# Altium PCB radxa_nx4_io_board_v1.11.PcbDoc (part 8 of 13)
Units mil, origin at the board's own origin, x right, y up, seen from the top; angles counter-clockwise.
Board outline 3937.01 x 3110.23 mil, 6 copper layers (TOP, GND02, ART03, ART04, GND05, BOTTOM), stack 47.2 mil thick; 639 components, 522 nets, 2442 pads, 1896 vias.
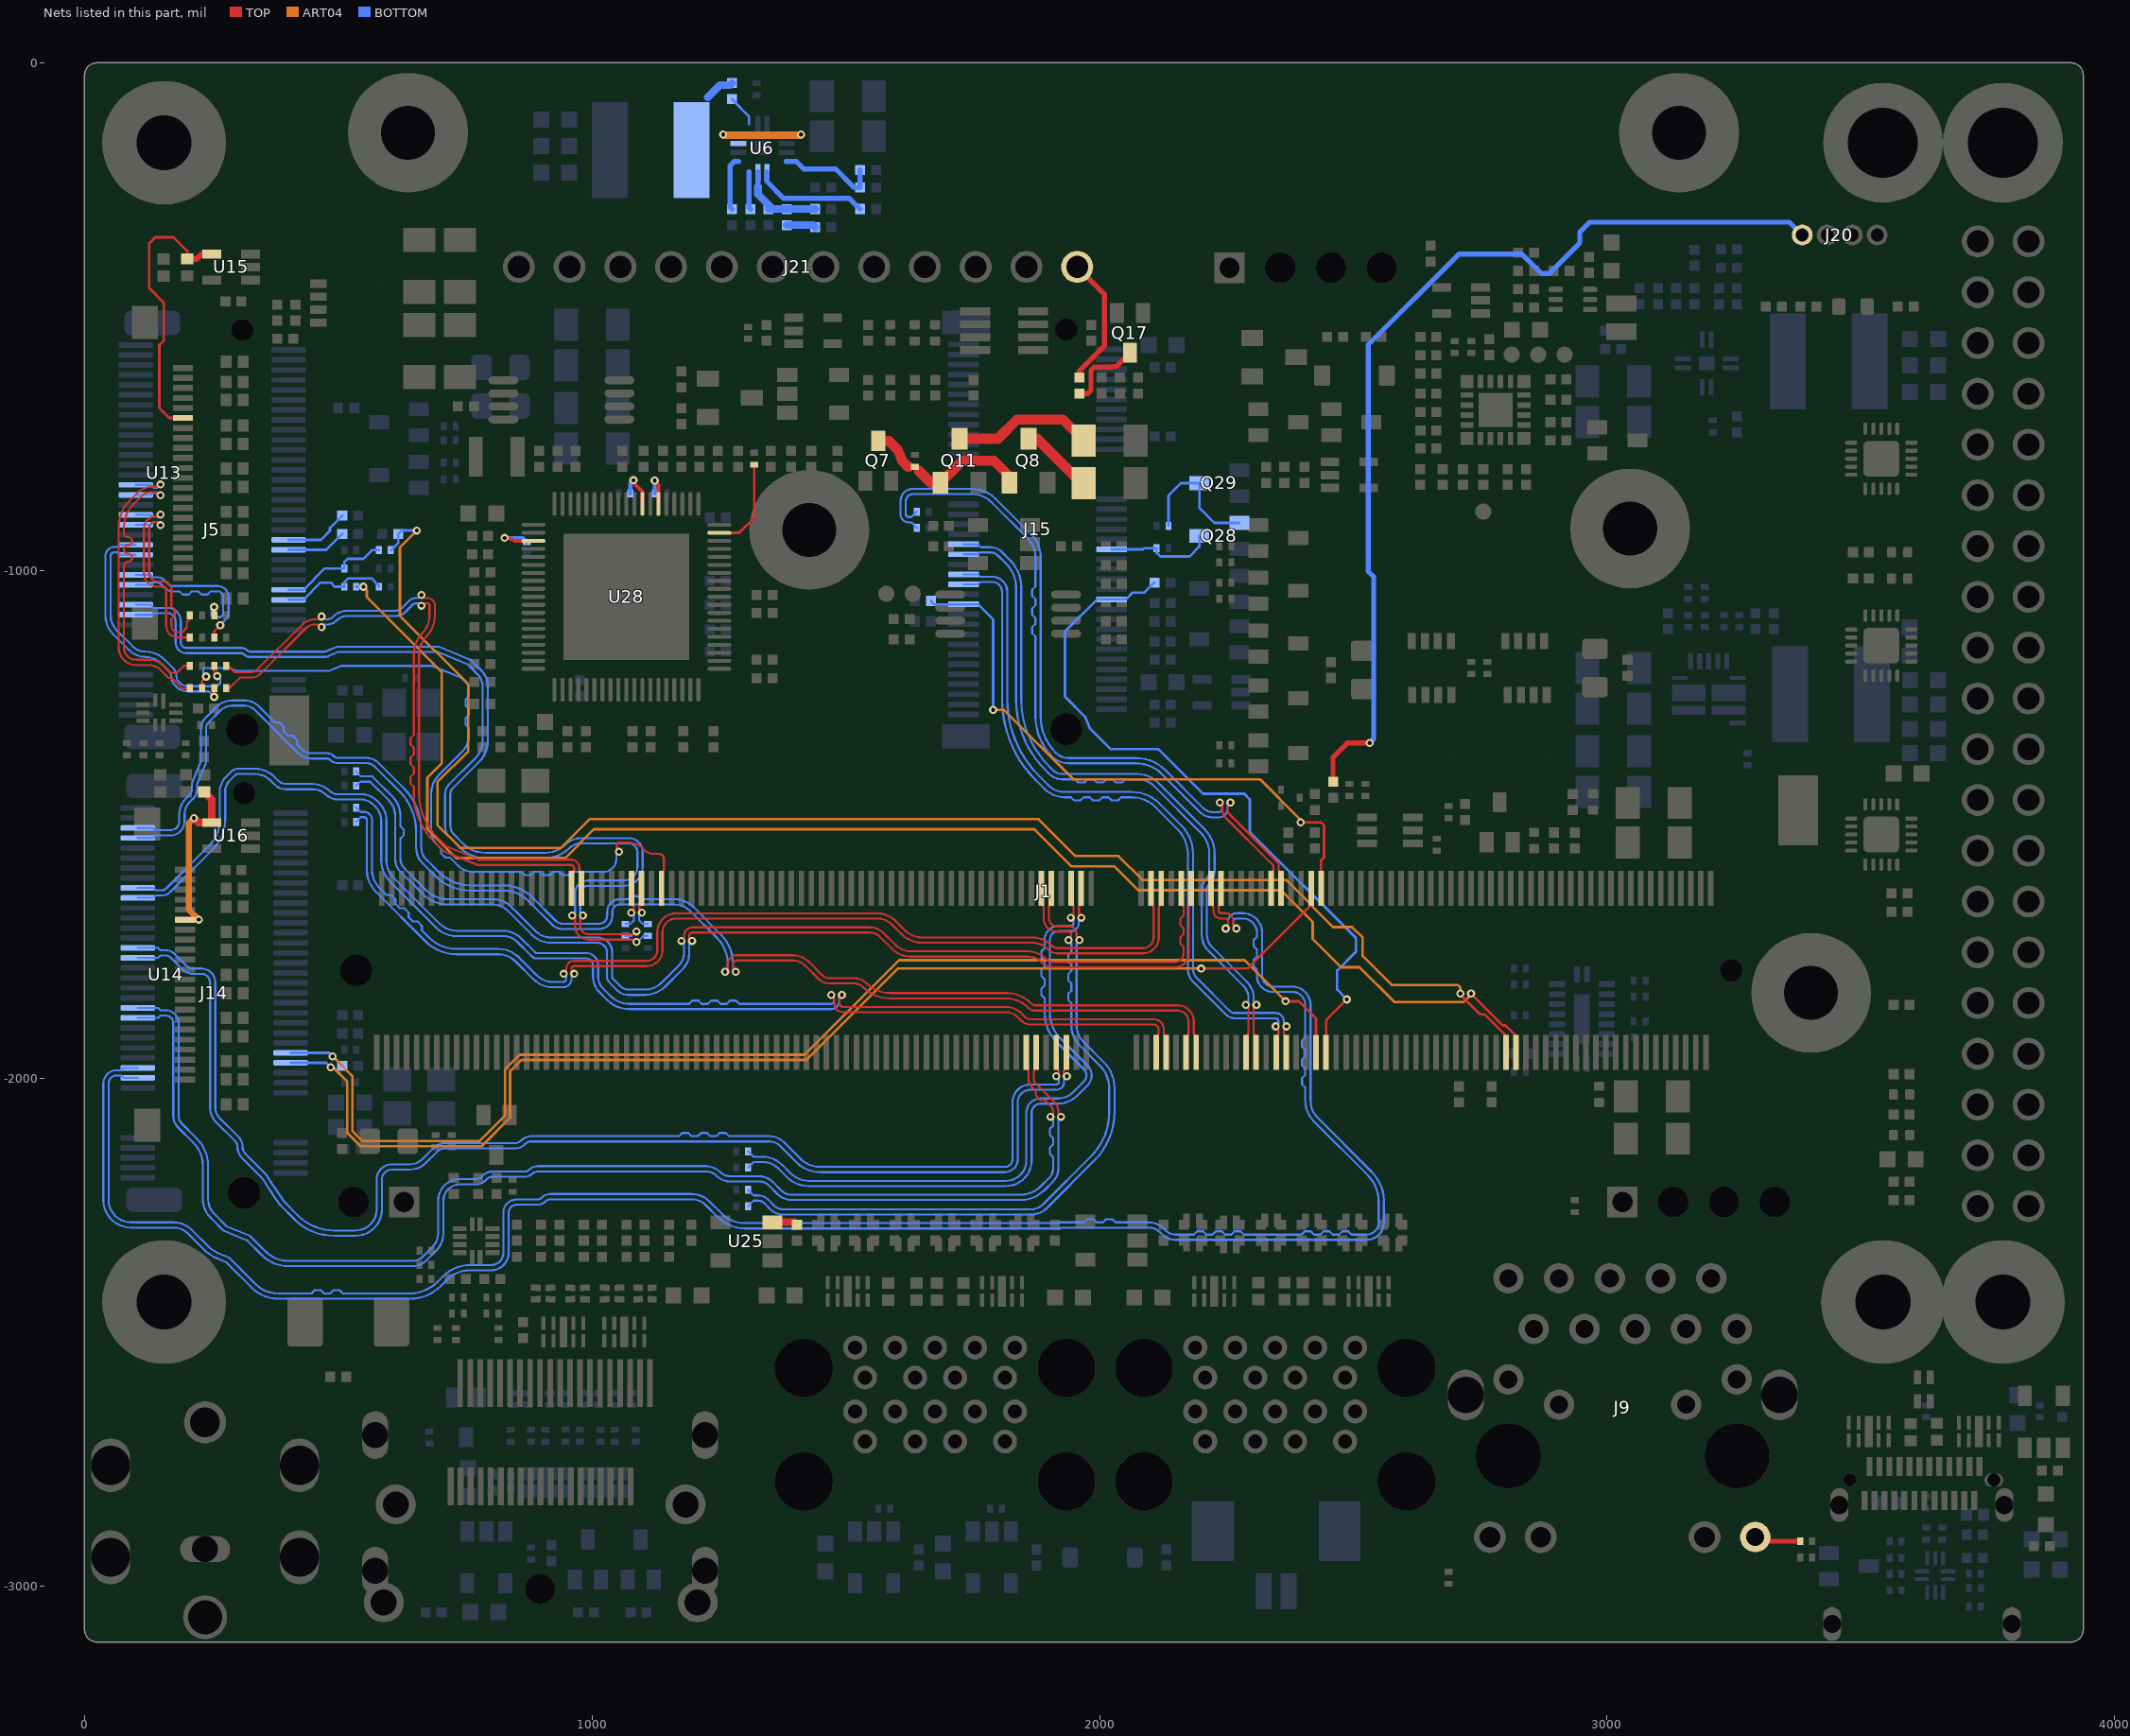
[diagram p12: the nets of this part, all layers, seen from the top]

## Via types
v1: diameter 16, hole 8, TOP to BOTTOM, 1896 vias

## Nets (pads, with @x,y where several pads share a name; then routed paths per layer and width w, separated by ;. In a path a pad name is that pad's centre, name@x,y a point inside that pad or via, vN(x,y) a via of type N, cw(c..) or ccw(c..) an arc to the next point about the centre after c; other vN are vias at no path point) (continued)
N9949261: J5.40 R94.2 | length 128.5
  BOTTOM w5: J5.40@402.63,-939.69 465.98,-939.69 484,-921.67 484,-916.25 R94.2@508.25,-892
N9949265: J5.42 R93.2 | length 118.6
  BOTTOM w5: J5.42@402.63,-959.37 476.88,-959.37 R93.2@508.25,-928
N9949897: J5.53 R145.1 R154.1 | length 1926.2
  TOP w4.06: v1(982.35,-1679.65) 977.03,-1684.97 977.03,-1700 ccw(c993.67,-1700) 993.67,-1716.64 1082.36,-1716.64 v1(1088,-1711)
  BOTTOM w4.06: J5.53@101.44,-1067.64 131.31,-1067.64 137.31,-1073.64 164,-1073.64 cw(c164,-1100) 190.36,-1100 190.36,-1142.27 ccw(c200.54,-1142.27) 200.54,-1152.45 308.61,-1152.45 cw(c308.6,-1171.4) 322,-1158 ccw(c326.98,-1153.08) 326.97,-1160.08 474.15,-1160.08 497.96,-1150.22 698.97,-1150.22 761.14,-1175.95 781.98,-1196.79 cw(c750.11,-1228.66) 795.18,-1228.66 795.18,-1334.71 cw(c735.04,-1334.71) 777.56,-1377.24 725.75,-1429.05 ccw(c737.28,-1440.59) 720.97,-1440.58 720.97,-1502.46 ccw(c745.57,-1502.46) 728.18,-1519.86 746.18,-1537.86 ccw(c789.97,-1494.08) 789.97,-1556 908.8,-1556 ccw(c908.79,-1499.97) 948.42,-1539.58 ; 948.43,-1539.57 cw(c978.18,-1569.33) 978.17,-1527.25 1072.84,-1527.25 cw(c1072.84,-1554.41) 1100,-1554.41 1100,-1584 cw(c1062.8,-1584) 1062.8,-1621.2 992,-1621.2 ccw(c992,-1636.17) 977.03,-1636.17 977.03,-1674.33 v1(982.35,-1679.65) ; R154.1@1066,-1719.81 1077.59,-1719.81 1086.4,-1711 v1(1088,-1711)
N9949903: J5.55 R144.1 R146.1 | length 1926.1
  TOP w4.06: v1(961.35,-1679.65) 966.67,-1684.97 966.67,-1700 ccw(c993.67,-1700) 993.67,-1727 1083,-1727 v1(1088,-1732)
  BOTTOM w4.06: J5.55@101.44,-1087.32 133.98,-1087.32 137.3,-1084 164,-1084 cw(c164,-1100) 180,-1100 180,-1142.27 ccw(c200.54,-1142.27) 200.54,-1162.81 308.6,-1162.81 cw(c308.59,-1171.4) 314.67,-1165.33 ; 314.68,-1165.35 ccw(c326.96,-1153.08) 326.96,-1170.44 476.22,-1170.44 500.03,-1160.58 696.91,-1160.58 755.27,-1184.74 774.65,-1204.12 cw(c750.11,-1228.67) 784.82,-1228.66 784.82,-1334.71 cw(c735.05,-1334.7) 770.23,-1369.91 718.42,-1421.72 ccw(c737.29,-1440.58) 710.61,-1440.57 710.61,-1502.46 ccw(c745.57,-1502.47) 720.85,-1527.19 738.85,-1545.19 ccw(c789.96,-1494.07) 789.97,-1566.36 908.81,-1566.36 ccw(c908.8,-1499.97) 955.75,-1546.91 cw(c978.19,-1569.33) 978.18,-1537.61 1072.84,-1537.61 cw(c1072.84,-1554.41) 1089.64,-1554.41 1089.64,-1584 cw(c1062.8,-1584) 1062.8,-1610.84 992,-1610.84 ccw(c992,-1636.17) 966.67,-1636.17 966.67,-1674.33 v1(961.35,-1679.65) ; v1(1088,-1732) 1089.68,-1732 1101.87,-1719.81 R146.1@1110,-1719.81
N9949909: J5.41 R141.1 R157.1 | length 498.9
  TOP w4.06: v1(255.81,-1249) R141.1@255.81,-1232
  BOTTOM w4.06: J5.41@101.44,-949.53 69.13,-949.53 65.02,-953.64 60,-953.64 ccw(c60,-972) 41.64,-972 41.64,-1088.55 ccw(c93.79,-1088.56) 56.91,-1125.43 88.89,-1157.41 ccw(c119.84,-1126.45) 119.85,-1170.23 cw(c119.84,-1214.62) 151.24,-1183.24 167.21,-1199.21 cw(c156.6,-1209.83) 171.61,-1209.82 ; 171.61,-1209.84 ccw(c194.21,-1209.84) 178.23,-1225.82 181.04,-1228.62 ccw(c204.56,-1205.09) 204.57,-1238.36 245.17,-1238.36 v1(255.81,-1249)
N9949915: J5.43 R140.1 R155.1 | length 499.2
  TOP w4.06: R140.1@255.81,-1188 255.81,-1201.81 v1(262,-1208)
  BOTTOM w4.06: J5.43@101.44,-969.21 69.45,-969.21 64.24,-964 60,-964 ccw(c60,-972) 52,-972 52,-1088.55 ccw(c93.79,-1088.55) 64.24,-1118.1 96.22,-1150.08 ccw(c119.85,-1126.46) 119.85,-1159.87 cw(c119.85,-1214.62) 158.57,-1175.91 174.54,-1191.88 cw(c156.6,-1209.82) 181.97,-1209.81 ; 181.97,-1209.83 ccw(c194.2,-1209.82) 185.56,-1218.48 188.37,-1221.29 ccw(c204.57,-1205.09) 204.57,-1228 262,-1228 268.09,-1221.91 268.09,-1214.09 v1(262,-1208)
N9950013: C79.1 J5.47 R164.1 | length 294.2
  TOP w4.06: R164.1@255.81,-1132 255.81,-1120.19 v1(268,-1108)
  BOTTOM w4.06: J5.47@101.44,-1008.58 130.9,-1008.58 135.56,-1013.24 142.15,-1013.24 cw(c142.16,-1036.78) 158.8,-1020.13 161.33,-1022.67 165.22,-1026.56 ccw(c175.26,-1016.53) 175.25,-1030.72 262.94,-1030.72 cw(c262.94,-1052) 284.22,-1052 284.22,-1091.11 268,-1107.33 v1(268,-1108)
N9950017: C78.1 J5.49 R160.1 | length 293.2
  TOP w4.06: R160.1@255.81,-1088 v1(255.81,-1072)
  BOTTOM w4.06: J5.49@101.44,-1028.27 130.89,-1028.27 135.56,-1023.6 142.16,-1023.6 cw(c142.14,-1036.78) 151.46,-1027.46 157.89,-1033.89 ccw(c175.25,-1016.53) 175.25,-1041.08 187.43,-1041.08 193.73,-1047.38 205.91,-1047.38 212.21,-1041.08 224.39,-1041.08 230.69,-1047.38 242.87,-1047.38 249.17,-1041.08 262.94,-1041.08 cw(c262.94,-1052) 273.86,-1052 273.86,-1086.81 268.7,-1091.97 254.23,-1091.97 250.16,-1087.9 250.16,-1077.65 v1(255.81,-1072)
N9951222: C95.1 L2.1 U6.5 U6.15 U6.16 | length 242.5
  ART04 w15: v1(1258.57,-141.43) 1259.57,-142.43 1411,-142.43 v1(1412,-141.43)
  BOTTOM w10: U6.5@1383.24,-141.43 v1(1412,-141.43)
  BOTTOM w15: 1228,-68 1252,-44 1272.25,-44 C95.1@1276,-40.25
N9951280: C101.1 R125.2 R153.1 U6.11 | length 174
  BOTTOM w10: 1327.14,-243.89 U6.11@1327.14,-215.24
  BOTTOM w15: 1327.14,-243.89 1327.14,-259.14 1348,-280 R153.1@1348,-288.25 C101.1@1384,-288.25 1440,-288.25 R125.2@1440.25,-288
N9951288: R118.2 R130.2 U6.8 | length 201.3
  BOTTOM w10: U6.8@1383.24,-194.57 1402.98,-194.57 1417.41,-209 1479.88,-209 1516.88,-246 R130.2@1528.25,-246 R118.2@1528.25,-211
N9951296: R142.2 U6.10 | length 224.4
  BOTTOM w10: U6.10@1344.86,-215.24 1344.86,-233.76 1378.26,-267.16 1507.41,-267.16 R142.2@1528.25,-288
N9951352: C132.1 U6.13 | length 107.2
  BOTTOM w10: C132.1@1276,-288.25 1272,-284.25 1272,-203.01 1280.44,-194.57 U6.13@1288.76,-194.57
N9951490: C95.2 U6.1 | length 62.9
  BOTTOM w5: C95.2@1276,-71.75 1309.43,-105.18 U6.1@1309.43,-120.76
N9951614: C101.2 R123.2 | length 58
  BOTTOM w15: C101.2@1384,-319.75 1436,-319.75 R123.2@1440.25,-324
N9951684: R143.2 U6.12 | length 74.1
  BOTTOM w10: U6.12@1309.43,-215.24 1309.43,-285.68 R143.2@1312,-288.25
N9953288: Q28.1 Q29.3 R70.2 | length 270.4
  BOTTOM w5: R70.2@2135.81,-912 2135.81,-852.18 2159.99,-828 Q29.3@2196.63,-828 2196.63,-876.64 2226.4,-906.41 Q28.1@2275.37,-906.41
N9953416: J15.42 Q28.3 R69.2 | length 214.9
  BOTTOM w5: J15.42@2023.74,-958.39 2085.6,-958.39 2087.99,-956 R69.2@2112.19,-956 2112.19,-964.57 2120,-972.38 2177.53,-972.38 2196.63,-953.28 Q28.3@2196.63,-932
N9966450: D18.1 U14.17 U16.4 | length 344.7
  TOP w12: U14.17@198.64,-1687.73 v1(225.73,-1687.73)
  TOP w15: v1(216,-1488.01) 224.89,-1496.9 U16.4@251.32,-1496.9 251.32,-1451.07 D18.1@236.49,-1436.24
  ART04 w12: v1(216,-1488.01) 206.33,-1497.68 206.33,-1668.33 v1(225.73,-1687.73)
N9970231: D26.1 U13.17 U15.4 | length 553.1
  TOP w5: U13.17@194.64,-699.73 167.72,-699.73 148,-680.01 148,-556 157,-547 157,-473 128,-444 128,-356 140,-344 176.01,-344 203.02,-371.01 D26.1@203.02,-386.25
  TOP w12: D26.1@203.02,-386.25 221.74,-386.25 231.09,-376.9 U15.4@251.32,-376.9
N9980559: Q7.3 Q8.1 Q11.1 R74.2 | length 341.8
  TOP w12: 1623.81,-795.81 R74.2@1636,-795.81 1644.19,-804
  TOP w20: Q7.3@1564,-744.63 1584.63,-744.63 1602.8,-762.8 1612,-785 1622.81,-795.81 1623.81,-795.81 ; 1644.19,-804 1667.5,-827.31 Q11.1@1686.6,-827.31 1729.91,-784 1792,-784 1822.6,-814.6 Q8.1@1822.6,-827.31
N10072959: J9.18 R122.2 | length 91.7
  TOP w10: J9.18@3291.85,-2903.84 3300.01,-2912 R122.2@3380.19,-2912
N10163038: J5.29 R137.1 | length 598.4
  TOP w4.06: v1(150.03,-830.76) 145.62,-835.17 134.02,-835.17 ccw(c134,-877.01) 104.42,-847.42 89.79,-862.05 ccw(c142.78,-915.01) 67.86,-915.01 67.86,-1151.49 ccw(c102.73,-1151.49) 102.73,-1186.36 127.68,-1186.36 cw(c127.68,-1217.76) 149.89,-1195.56 166.09,-1211.76 172.11,-1211.76 192.35,-1232 R137.1@208.19,-1232
  BOTTOM w4.06: J5.29@101.44,-831.42 131.41,-831.42 137.51,-837.52 143.27,-837.52 v1(150.03,-830.76)
N10163048: J5.31 R136.1 | length 598
  TOP w4.06: v1(150.03,-851.76) 143.8,-845.53 134.01,-845.53 ccw(c134.01,-877.01) 111.75,-854.75 97.12,-869.38 ccw(c142.78,-915.02) 78.22,-915.02 78.22,-926.14 ccw(c86.34,-926.14) 86.34,-934.26 cw(c86.34,-942.38) 86.34,-950.5 ccw(c86.34,-958.62) 86.34,-966.74 cw(c86.34,-974.86) 86.34,-982.98 ccw(c86.34,-991.1) 78.22,-991.1 78.22,-1151.49 ccw(c102.73,-1151.49) 102.73,-1176 127.69,-1176 cw(c127.69,-1217.77) 157.22,-1188.23 170.39,-1201.4 182.17,-1201.4 195.57,-1188 R136.1@208.19,-1188
  BOTTOM w4.06: J5.31@101.44,-851.1 130.91,-851.1 134.13,-847.88 146.15,-847.88 v1(150.03,-851.76)
N10163186: C135.1 J5.35 | length 381.3
  TOP w4.06: v1(150.03,-889.81) 145.62,-894.22 139.9,-894.22 ccw(c139.9,-916.48) 117.64,-916.48 117.64,-1005.56 ccw(c144,-1005.56) 144,-1031.92 156,-1031.92 cw(c156,-1037.27) 161.35,-1037.27 161.35,-1108.76 ccw(c184.59,-1108.76) 184.59,-1132 C135.1@208.19,-1132
  BOTTOM w4.06: J5.35@101.44,-890.47 130.9,-890.47 134.56,-894.13 145.71,-894.13 v1(150.03,-889.81)
N10163190: C134.1 J5.37 | length 381.4
  TOP w4.06: v1(150.03,-910.81) 143.8,-904.58 139.9,-904.58 ccw(c139.9,-916.48) 128,-916.48 128,-1005.56 ccw(c144,-1005.56) 144,-1021.56 156,-1021.56 cw(c156,-1037.27) 171.71,-1037.27 171.71,-1070.56 178.01,-1076.86 178.01,-1089.66 171.71,-1095.96 171.71,-1108.76 ccw(c184.59,-1108.76) 184.59,-1121.64 193.41,-1121.64 201.97,-1113.08 201.97,-1101.9 208.19,-1095.68 C134.1@208.19,-1088
  BOTTOM w4.06: J5.37@101.44,-910.16 130.89,-910.16 136.56,-904.49 143.71,-904.49 v1(150.03,-910.81)
N10165872: J5.52 R165.2 R167.2 | length 214.5
  BOTTOM w5: J5.52@402.63,-1057.8 431.84,-1057.8 465.64,-1024 485.59,-1024 493.59,-1032 R167.2@512.19,-1032 512.19,-1023.81 520.5,-1015.5 565.66,-1015.5 580.19,-1030.03 R165.2@580.19,-1032
N10165912: J5.50 R166.2 R168.2 | length 217.1
  BOTTOM w5: J5.50@402.63,-1038.11 431.84,-1038.11 473.95,-996 R166.2@512.19,-996 512.19,-983.81 519,-977 549.78,-977 566.78,-960 R168.2@580.19,-960
N10368216: J20.4 R175.2 | length 1933.4
  TOP w10: R175.2@2460,-1416.25 2460,-1368 2488,-1340 v1(2532,-1340)
  BOTTOM w10: v1(2532,-1340) 2540,-1332 2540,-1012.63 2529.3,-1001.93 2529.3,-555.36 2707.62,-377.04 2832.16,-377.04 2870.12,-415 2886,-415 2946,-355 2946,-333.9 2965.9,-314 3358.92,-314 J20.4@3384.18,-339.26
N10420993: R176.1 U28.25 | length 74.1
  TOP w8: v1(1123.78,-823) 1123.78,-824 1130.99,-831.21 U28.25@1130.99,-868.93
  BOTTOM w8: v1(1123.78,-823) 1123.78,-847.59 R176.1@1124.19,-848
N10421041: R177.1 U28.18 | length 185.6
  TOP w5: U28.18@1251.07,-926.02 1289.98,-926.02 1320,-896 R177.1@1320,-791.81
N10421089: R178.1 U28.41 | length 105.5
  TOP w8: v1(828,-936) 834.78,-936 848.69,-941.76 U28.41@884.93,-941.76
  BOTTOM w8: v1(828,-936) 863.81,-936 R178.1@872,-944.19
N10421137: R179.1 U28.27 | length 82
  TOP w8: v1(1081.78,-822.37) 1081.78,-827.2 1099.5,-844.92 U28.27@1099.5,-868.93
  BOTTOM w8: R179.1@1075.81,-848 1075.81,-828.34 v1(1081.78,-822.37)
N10470181: R180.2 U25.3 | length 50.4
  TOP w15: U25.3@1355.41,-2283.84 1399.59,-2283.84 R180.2@1404,-2288.25
N99811452: Q11.3 R73.2 | length 277.4
  TOP w20: Q11.3@1724,-740.69 1799.95,-740.69 1837.61,-703.03 1927.85,-703.03 R73.2@1968.82,-744
N99825812: Q8.3 R91.2 | length 145
  TOP w20: Q8.3@1860,-740.69 1877.19,-740.69 1964.5,-828 R91.2@1968.82,-828
PC_LED-: J21.1 R221.1 | length 260.8
  TOP w10: J21.1@1956,-402.18 2009.63,-455.81 2009.63,-558.14 1960,-607.77 R221.1@1960,-620.25
PC_LED_R: Q17.3 R221.2 | length 156.1
  TOP w10: R221.2@1960,-651.75 1976.26,-651.75 1983.16,-644.85 1983.16,-605.84 1989.59,-599.41 2023.96,-599.41 2025.23,-598.14 2033.23,-598.14 Q17.3@2060,-571.37
PCIE0_CLK_N: J1.160 J14.53 | length 4003.2
  TOP w4.06: J1.160@2219.87,-1626.09 2219.87,-1657.9 2224.53,-1662.56 2224.53,-1671.05 ccw(c2238.95,-1671.05) 2238.95,-1685.47 2248,-1685.47 cw(c2248,-1690.49) 2253.02,-1690.49 2253.02,-1700.8 v1(2248.61,-1705.21)
  BOTTOM w4.06: J14.53@105.44,-1979.64 77.95,-1979.64 73.29,-1984.3 64,-1984.3 ccw(c64,-2010.66) 37.64,-2010.66 37.64,-2240 ccw(c92,-2240) 92,-2294.36 176.37,-2294.36 cw(c176.36,-2334.19) 204.53,-2306.03 240.83,-2342.34 256.65,-2352.89 279.85,-2362.52 330.07,-2412.73 ccw(c382.3,-2360.48) 382.31,-2434.36 641.03,-2434.36 ccw(c641.03,-2346.68) 703.03,-2408.68 714.17,-2397.54 cw(c760.46,-2443.81) 760.46,-2378.36 801.61,-2378.36 ccw(c801.61,-2344) 835.97,-2344 835.97,-2265.23 cw(c852,-2265.23) 852,-2249.2 892.36,-2249.2 ccw(c892.35,-2225.61) 909.03,-2242.29 cw(c918.16,-2251.39) 918.15,-2238.5 1196.95,-2238.5 cw(c1196.94,-2277.02) 1224.19,-2249.79 1248.16,-2273.76 ccw(c1301.78,-2220.14) 1301.79,-2295.97 1922.69,-2295.97 1924.3,-2294.36 2096.92,-2294.36 cw(c2096.91,-2326.83) 2119.88,-2303.88 2124.04,-2308.04 ccw(c2148.95,-2283.13) 2148.96,-2318.36 2525.84,-2318.36 ccw(c2525.84,-2284) 2560.2,-2284 2560.2,-2242.22 ccw(c2478.89,-2242.22) 2536.38,-2184.72 2430,-2078.34 cw(c2464.86,-2043.48) 2415.56,-2043.48 2415.56,-1855.42 ccw(c2380,-1855.42) 2380,-1819.86 2341.95,-1819.86 cw(c2341.95,-1798.22) 2320.31,-1798.22 2320.31,-1713.47 ccw(c2281.95,-1713.47) 2281.95,-1675.11 2269.91,-1675.11 ccw(c2269.91,-1692) 2253.02,-1692 2253.02,-1700.8 v1(2248.61,-1705.21)
PCIE0_CLK_P: J1.162 J14.55 | length 4001.6
  TOP w4.06: J1.162@2239.56,-1626.09 2239.56,-1657.91 2234.89,-1662.58 2234.89,-1671.05 ccw(c2238.95,-1671.05) 2238.95,-1675.11 2248,-1675.11 cw(c2248,-1690.49) 2263.38,-1690.49 2263.38,-1698.98 v1(2269.61,-1705.21)
  BOTTOM w4.06: J14.55@105.44,-1999.32 77.95,-1999.32 73.29,-1994.66 64,-1994.66 ccw(c64,-2010.66) 48,-2010.66 48,-2240 ccw(c92,-2240) 92,-2284 176.37,-2284 cw(c176.37,-2334.19) 211.86,-2298.7 247.44,-2334.28 261.56,-2343.71 285.73,-2353.73 337.4,-2405.4 ccw(c382.31,-2360.48) 382.31,-2424 447.61,-2424 453.91,-2417.7 466.09,-2417.7 472.39,-2424 484.57,-2424 490.87,-2417.7 503.05,-2417.7 509.35,-2424 641.03,-2424 ccw(c641.02,-2346.68) 695.7,-2401.35 706.84,-2390.21 cw(c760.45,-2443.81) 760.46,-2368 801.61,-2368 ccw(c801.61,-2344) 825.61,-2344 825.61,-2265.23 cw(c852,-2265.23) 852,-2238.84 892.35,-2238.84 ccw(c892.34,-2225.62) 901.7,-2234.96 cw(c918.15,-2251.39) 918.15,-2228.14 1196.95,-2228.14 cw(c1196.95,-2277.03) 1231.52,-2242.46 1255.49,-2266.43 ccw(c1301.79,-2220.15) 1301.79,-2285.61 1918.39,-2285.61 1920,-2284 1969.69,-2284 1975.99,-2277.7 1988.17,-2277.7 1994.47,-2284 2006.65,-2284 2012.95,-2277.7 2025.13,-2277.7 2031.43,-2284 2096.92,-2284 cw(c2096.92,-2326.83) 2127.21,-2296.55 2131.37,-2300.71 ccw(c2148.96,-2283.13) 2148.96,-2308 2185.69,-2308 2191.99,-2301.7 2204.17,-2301.7 2210.47,-2308 2222.65,-2308 2228.95,-2301.7 2241.13,-2301.7 2247.43,-2308 2259.61,-2308 2265.91,-2301.7 2278.09,-2301.7 2284.39,-2308 2397.69,-2308 2403.99,-2301.7 2416.17,-2301.7 2422.47,-2308 2434.65,-2308 2440.95,-2301.7 2453.13,-2301.7 2459.43,-2308 2471.61,-2308 2477.91,-2301.7 2490.09,-2301.7 2496.39,-2308 2525.84,-2308 ccw(c2525.84,-2284) 2549.84,-2284 2549.84,-2242.22 ccw(c2478.89,-2242.23) 2529.05,-2192.05 2422.67,-2085.67 cw(c2464.86,-2043.49) 2405.2,-2043.48 2405.2,-2018.31 2398.9,-2012.01 2398.9,-1999.83 2405.2,-1993.53 2405.2,-1981.35 2398.9,-1975.05 2398.9,-1962.87 2405.2,-1956.57 2405.2,-1944.39 2398.9,-1938.09 2398.9,-1925.91 2405.2,-1919.61 2405.2,-1855.42 ccw(c2380,-1855.42) 2380,-1830.22 2341.95,-1830.22 cw(c2341.95,-1798.22) 2309.95,-1798.22 2309.95,-1786.04 2303.65,-1779.74 2303.65,-1767.56 2309.95,-1761.26 2309.95,-1746.43 2303.65,-1740.13 2303.65,-1727.95 2309.95,-1721.65 2309.95,-1713.47 ccw(c2281.95,-1713.47) 2281.95,-1685.47 2269.91,-1685.47 ccw(c2269.91,-1692) 2263.38,-1692 2263.38,-1698.98 v1(2269.61,-1705.21)
PCIE0_CLKREQ: J1.180 J14.52 | length 2420.4
  TOP w5: v1(2200.19,-1784.21) 2291.09,-1784.21 2416.72,-1658.58 J1.180@2416.72,-1626.09
  ART04 w5: v1(485.41,-1978.56) 490.05,-1978.56 518.07,-2006.58 518.07,-2107.92 544.15,-2134 782.79,-2134 838.89,-2077.9 838.89,-1986.52 861.41,-1964 1422.96,-1964 1602.75,-1784.21 v1(2200.19,-1784.21)
  BOTTOM w5: J14.52@406.63,-1969.8 476.65,-1969.8 v1(485.41,-1978.56)
PCIE0_RST: J1.181 J14.50 R156.2 | length 2497.5
  TOP w5: v1(2366.62,-1848.47) 2393.05,-1848.47 2426.57,-1881.99 J1.181@2426.57,-1948.92
  ART04 w5: v1(489.24,-1956.94) 528.07,-1995.77 528.07,-2103.77 548.3,-2124 778.64,-2124 828.89,-2073.75 828.89,-1982.37 857.26,-1954 1418.81,-1954 1605.08,-1767.71 2285.86,-1767.71 v1(2366.62,-1848.47)
  BOTTOM w5: J14.50@406.63,-1950.11 482.41,-1950.11 v1(489.24,-1956.94) ; v1@489.24,-1956.99 R156.2@508.25,-1976
PCIE0_RX0_N: J1.131 J14.41 | length 2615.6
  TOP w4.06: J1.131@1855.7,-1948.92 1855.7,-1980.74 1860.37,-1985.41 1860.37,-2003.27 ccw(c1879.06,-2003.28) 1865.84,-2016.49 1874.45,-2025.1 1874.45,-2034.02 1883.06,-2042.63 1891.98,-2042.63 1904.15,-2054.8 cw(c1893.47,-2065.49) 1908.58,-2065.48 1908.58,-2070.65 v1(1903.26,-2075.97)
  BOTTOM w4.06: J14.41@105.44,-1861.53 145.29,-1861.53 149.95,-1866.19 160.55,-1866.19 cw(c160.55,-1891.42) 185.78,-1891.42 185.78,-2074.96 ccw(c205.48,-2074.96) 191.55,-2088.89 221.79,-2119.13 cw(c168.19,-2172.74) 244,-2172.74 244,-2238.13 ccw(c285.31,-2238.13) 256.1,-2267.34 280.21,-2291.45 326.71,-2310.71 357.4,-2341.4 ccw(c402.31,-2296.48) 402.31,-2360 646.12,-2360 ccw(c646.11,-2330) 667.33,-2351.21 686.11,-2332.43 ccw(c659.69,-2306) 697.06,-2306 697.06,-2241.58 cw(c740,-2241.58) 740,-2198.64 772.6,-2198.64 ccw(c772.59,-2183.9) 783.02,-2194.32 786.45,-2190.89 cw(c803.08,-2207.51) 803.07,-2184 866.33,-2184 ccw(c866.33,-2168.84) 877.05,-2179.56 cw(c893.89,-2199.08) 893.89,-2173.3 1224.4,-2173.3 cw(c1224.39,-2214.12) 1253.26,-2185.26 ; 1253.28,-2185.28 ccw(c1272.06,-2166.51) 1272.05,-2193.06 1329.4,-2193.06 cw(c1329.39,-2230.89) 1356.14,-2204.14 1373.06,-2221.06 ccw(c1393.73,-2200.38) 1393.73,-2229.62 1843.88,-2229.62 ccw(c1843.88,-2172.1) 1884.56,-2212.77 1900.95,-2196.38 ccw(c1882.56,-2177.97) 1908.58,-2177.98 1908.58,-2155.21 1902.28,-2148.91 1902.28,-2136.73 1908.58,-2130.43 1908.58,-2118.25 1902.28,-2111.95 1902.28,-2099.77 1908.58,-2093.47 1908.58,-2081.29 v1(1903.26,-2075.97)
PCIE0_RX0_P: J1.133 J14.43 | length 2616.2
  TOP w4.06: J1.133@1875.39,-1948.92 1875.39,-1980.73 1870.73,-1985.39 1870.73,-2003.27 ccw(c1879.06,-2003.27) 1873.17,-2009.16 1911.48,-2047.47 cw(c1893.47,-2065.48) 1918.94,-2065.48 1918.94,-2070.65 v1(1924.26,-2075.97)
  BOTTOM w4.06: J14.43@105.44,-1881.21 145.29,-1881.21 149.95,-1876.55 160.55,-1876.55 cw(c160.55,-1891.42) 175.42,-1891.42 175.42,-2074.96 ccw(c205.48,-2074.97) 184.22,-2096.22 214.46,-2126.46 cw(c168.2,-2172.75) 233.64,-2172.74 233.64,-2238.13 ccw(c285.31,-2238.14) 248.77,-2274.67 274.34,-2300.24 320.84,-2319.5 350.07,-2348.73 ccw(c402.3,-2296.48) 402.31,-2370.36 646.13,-2370.36 ccw(c646.12,-2330) 674.66,-2358.54 693.44,-2339.76 ccw(c659.68,-2306.01) 707.42,-2306 707.42,-2241.58 cw(c740,-2241.58) 740,-2209 772.61,-2209 ccw(c772.6,-2183.89) 790.35,-2201.65 793.78,-2198.22 cw(c803.09,-2207.51) 803.08,-2194.36 866.33,-2194.36 ccw(c866.34,-2168.83) 884.04,-2187.23 cw(c893.91,-2199.08) 893.89,-2183.66 1224.39,-2183.66 cw(c1224.38,-2214.12) 1245.93,-2192.59 ccw(c1272.05,-2166.51) 1272.05,-2203.42 1329.39,-2203.42 cw(c1329.38,-2230.89) 1348.81,-2211.47 1365.73,-2228.39 ccw(c1393.72,-2200.38) 1393.73,-2239.98 1843.88,-2239.98 ccw(c1843.89,-2172.09) 1891.89,-2220.1 1908.28,-2203.71 ccw(c1882.55,-2177.98) 1918.94,-2177.99 1918.94,-2081.29 v1(1924.26,-2075.97)
PCIE0_RX1_N: J1.137 J14.29 | length 2571.8
  TOP w4.06: v1(1914.68,-1996.37) 1919.42,-1991.63 1919.42,-1985.4 1914.76,-1980.74 J1.137@1914.76,-1948.92
  BOTTOM w4.06: J14.29@105.44,-1743.42 145.29,-1743.42 149.95,-1748.08 161,-1748.08 cw(c161,-1771.59) 177.63,-1754.97 201.6,-1778.94 ccw(c213.8,-1766.75) 213.8,-1784 230.36,-1784 cw(c230.36,-1812) 258.36,-1812 258.36,-2058.21 ccw(c287.69,-2058.21) 266.95,-2078.95 304.54,-2116.54 cw(c286.53,-2134.55) 312,-2134.54 ccw(c334.35,-2134.56) 318.55,-2150.37 358.36,-2190.18 368,-2204.6 393.71,-2243.05 421.37,-2270.71 ccw(c492.08,-2199.99) 492.08,-2300 534.46,-2300 ccw(c534.46,-2258.46) 576,-2258.46 576,-2199.84 cw(c606.2,-2199.84) 606.2,-2169.64 641.44,-2169.64 ccw(c641.43,-2135.2) 665.79,-2159.55 688.36,-2136.98 cw(c709.8,-2158.42) 709.79,-2128.1 847.86,-2128.1 ccw(c847.85,-2109.44) 861.05,-2122.63 ; 861.07,-2122.61 cw(c881.32,-2142.86) 881.33,-2114.22 1171.61,-2114.22 1177.91,-2107.92 1190.09,-2107.92 1196.39,-2114.22 1208.57,-2114.22 1214.87,-2107.92 1227.05,-2107.92 1233.35,-2114.22 1245.53,-2114.22 1251.83,-2107.92 1264.01,-2107.92 1270.31,-2114.22 1349.84,-2114.22 cw(c1349.83,-2153.79) 1377.81,-2125.81 1410.53,-2158.53 ccw(c1449.76,-2119.31) 1449.75,-2174.78 1813.67,-2174.78 ccw(c1813.67,-2160) 1828.45,-2160 1828.45,-2047.95 cw(c1864,-2047.95) 1864,-2012.4 1914.84,-2012.4 ccw(c1914.84,-2007.34) 1919.9,-2007.34 1919.9,-2001.59 v1(1914.68,-1996.37)

## Text inside footprints (layer, text, board x,y; h text height)
R98: PIN_NUMBER "1" at 2313.2,-2288.25 h12 r270; PIN_NUMBER "2" at 2313.2,-2319.75 h12 r270; Top Overlay "NC/0R 1%" at 2296.35,-2268.57 h50 r270
R99: PIN_NUMBER "1" at 2353.2,-2288.25 h12 r270; PIN_NUMBER "2" at 2353.2,-2319.75 h12 r270; Top Overlay "NC/0R 1%" at 2336.35,-2268.57 h50 r270
R100: PIN_NUMBER "2" at 2671.2,-800.25 h12 r90; PIN_NUMBER "1" at 2671.2,-831.75 h12 r90; Top Overlay "100K 1%" at 2697.65,-851.43 h50 r90
R101: PIN_NUMBER "1" at 2627.2,-800.25 h12 r270; PIN_NUMBER "2" at 2627.2,-831.75 h12 r270; Top Overlay "110R 1%" at 2610.35,-780.57 h50 r270
R102: PIN_NUMBER "1" at 2914.95,-708 h12 r180; PIN_NUMBER "2" at 2883.45,-708 h12 r180; Top Overlay "10K 1%" at 2939.43,-686.35 h50 r180
R103: PIN_NUMBER "1" at 2914.95,-744 h12 r180; PIN_NUMBER "2" at 2883.45,-744 h12 r180; Top Overlay "10K 1%" at 2939.43,-722.35 h50 r180
R104: PIN_NUMBER "1" at 2835.2,-831.75 h12 r90; PIN_NUMBER "2" at 2835.2,-800.25 h12 r90; Top Overlay "10K 1%" at 2861.65,-851.43 h50 r90
R105: PIN_NUMBER "1" at 2627.45,-652 h12; PIN_NUMBER "2" at 2658.95,-652 h12; Top Overlay "NC/10K 1%" at 2612.57,-673.65 h50
R106: PIN_NUMBER "1" at 2627.45,-760 h12; PIN_NUMBER "2" at 2658.95,-760 h12; Top Overlay "10K 1%" at 2612.57,-781.65 h50
R107: PIN_NUMBER "1" at 2627.45,-576 h12; PIN_NUMBER "2" at 2658.95,-576 h12; Top Overlay "10K 1%" at 2612.57,-597.65 h50
R108: PIN_NUMBER "1" at 2914.95,-624 h12 r180; PIN_NUMBER "2" at 2883.45,-624 h12 r180; Top Overlay "4.7K 1%" at 2939.43,-602.35 h50 r180
R109: PIN_NUMBER "2" at 2799.2,-831.75 h12 r270; PIN_NUMBER "1" at 2799.2,-800.25 h12 r270; Top Overlay "NC/10K 1%" at 2782.35,-780.57 h50 r270
R110: PIN_NUMBER "2" at 2647.2,-360.25 h12 r90; PIN_NUMBER "1" at 2647.2,-391.75 h12 r90; Top Overlay "100K 1%" at 2673.65,-411.43 h50 r90
R111: PIN_NUMBER "2" at 2751.2,-831.75 h12 r270; PIN_NUMBER "1" at 2751.2,-800.25 h12 r270; Top Overlay "NC/10K 1%" at 2734.35,-780.57 h50 r270
R112: PIN_NUMBER "1" at 2627.45,-612 h12; PIN_NUMBER "2" at 2658.95,-612 h12; Top Overlay "NC/10K 1%" at 2612.57,-633.65 h50
R113: PIN_NUMBER "2" at 2627.45,-724 h12 r180; PIN_NUMBER "1" at 2658.95,-724 h12 r180; Top Overlay "NC/0R 1%" at 2683.43,-702.35 h50 r180
R114: PIN_NUMBER "2" at 2399.2,-796.25 h12 r90; PIN_NUMBER "1" at 2399.2,-827.75 h12 r90; Top Overlay "100K 1%" at 2425.65,-847.43 h50 r90
R115: PIN_NUMBER "2" at 2763.2,-544.25 h12 r90; PIN_NUMBER "1" at 2763.2,-575.75 h12 r90; Top Overlay "100K 1%" at 2789.65,-595.43 h50 r90
R116: PIN_NUMBER "2" at 2443.45,-540 h12 r180; PIN_NUMBER "1" at 2474.95,-540 h12 r180; Top Overlay "100K 1%" at 2499.43,-518.35 h50 r180
R117: PIN_NUMBER "2" at 2359.2,-796.25 h12 r90; PIN_NUMBER "1" at 2359.2,-827.75 h12 r90; Top Overlay "91K 1%" at 2385.65,-847.43 h50 r90
R118: PIN_NUMBER "2" at 1533.05,-211 h12 r180; PIN_NUMBER "1" at 1564.55,-211 h12 r180; Bottom Overlay "NC/10K 1%" at 1579.43,-232.65 h50 r180
R119: PIN_NUMBER "2" at 1339.2,-547.75 h12 r270; PIN_NUMBER "1" at 1339.2,-516.25 h12 r270; Top Overlay "100K 1%" at 1322.35,-496.57 h50 r270
R120: PIN_NUMBER "2" at 2658.95,-540 h12; PIN_NUMBER "1" at 2627.45,-540 h12; Top Overlay "4.7K 1%" at 2612.57,-561.65 h50
R121: PIN_NUMBER "2" at 2323.2,-796.25 h12 r90; PIN_NUMBER "1" at 2323.2,-827.75 h12 r90; Top Overlay "NC/100K 1%" at 2349.65,-847.43 h50 r90
R122: PIN_NUMBER "1" at 3383.81,-2912 h25 r180; PIN_NUMBER "2" at 3360.19,-2912 h25 r180
R123: PIN_NUMBER "2" at 1445.05,-324 h12 r180; PIN_NUMBER "1" at 1476.55,-324 h12 r180; Bottom Overlay "1K 1%" at 1491.43,-345.65 h50 r180
R124: PIN_NUMBER "2" at 2712,-548.19 h25 r90; PIN_NUMBER "1" at 2712,-571.81 h25 r90
R125: PIN_NUMBER "2" at 1445.05,-288 h12 r180; PIN_NUMBER "1" at 1476.55,-288 h12 r180; Bottom Overlay "100K 1%" at 1491.43,-309.65 h50 r180
R126: PIN_NUMBER "1" at 3713.05,-2944.86 h12; PIN_NUMBER "2" at 3744.55,-2944.86 h12; Bottom Overlay "47K 5%" at 3688.57,-2923.21 h50
R127: PIN_NUMBER "1" at 1081.05,-3052 h12; PIN_NUMBER "2" at 1112.55,-3052 h12; Bottom Overlay "HDMI_162K 1%" at 1056.57,-3030.35 h50
R128: PIN_NUMBER "2" at 977.05,-3052 h12 r180; PIN_NUMBER "1" at 1008.55,-3052 h12 r180; Bottom Overlay "32.4K 1%" at 1023.43,-3073.65 h50 r180
R129: PIN_NUMBER "2" at 1445.05,-246 h12 r180; PIN_NUMBER "1" at 1476.55,-246 h12 r180; Bottom Overlay "NC/10K 1%" at 1491.43,-267.65 h50 r180
R130: PIN_NUMBER "1" at 1564.55,-246 h12 r180; PIN_NUMBER "2" at 1533.05,-246 h12 r180; Bottom Overlay "10K 1%" at 1579.43,-267.65 h50 r180
R131: PIN_NUMBER "1" at 1648.8,-2928.25 h12 r270; PIN_NUMBER "2" at 1648.8,-2959.75 h12 r270; Bottom Overlay "0R 1%" at 1665.65,-2908.57 h50 r270
R132: PIN_NUMBER "1" at 900,-2947.81 h25 r90; PIN_NUMBER "2" at 900,-2924.19 h25 r90
R133: PIN_NUMBER "2" at 1880.8,-2928.25 h12 r90; PIN_NUMBER "1" at 1880.8,-2959.75 h12 r90; Bottom Overlay "100K 1%" at 1854.35,-2979.43 h50 r90
R134: PIN_NUMBER "1" at 2817.05,-1952 h12; PIN_NUMBER "2" at 2848.55,-1952 h12; Bottom Overlay "0R 1%" at 2792.57,-1930.35 h50
R135: PIN_NUMBER "1" at 1584.19,-2848 h25; PIN_NUMBER "2" at 1607.81,-2848 h25
R136: PIN_NUMBER "2" at 211.81,-1188 h25; PIN_NUMBER "1" at 188.19,-1188 h25
R137: PIN_NUMBER "2" at 211.81,-1232 h25; PIN_NUMBER "1" at 188.19,-1232 h25
R138: PIN_NUMBER "1" at 2836.19,-1784 h25; PIN_NUMBER "2" at 2859.81,-1784 h25
R139: PIN_NUMBER "2" at 2836.19,-1816 h25 r180; PIN_NUMBER "1" at 2859.81,-1816 h25 r180
R140: PIN_NUMBER "2" at 212.19,-1188 h25 r180; PIN_NUMBER "1" at 235.81,-1188 h25 r180
R141: PIN_NUMBER "2" at 212.19,-1232 h25 r180; PIN_NUMBER "1" at 235.81,-1232 h25 r180
R142: PIN_NUMBER "1" at 1564.55,-288 h12 r180; PIN_NUMBER "2" at 1533.05,-288 h12 r180; Bottom Overlay "10K 1%" at 1579.43,-309.65 h50 r180
R143: PIN_NUMBER "1" at 1316.8,-319.75 h12 r90; PIN_NUMBER "2" at 1316.8,-288.25 h12 r90; Bottom Overlay "NC/10K 1%" at 1290.35,-339.43 h50 r90
R144: PIN_NUMBER "2" at 1130,-1743.81 h25 r270; PIN_NUMBER "1" at 1130,-1720.19 h25 r270
R145: PIN_NUMBER "2" at 1086,-1743.81 h25 r270; PIN_NUMBER "1" at 1086,-1720.19 h25 r270
R146: PIN_NUMBER "2" at 1130,-1696.19 h25 r90; PIN_NUMBER "1" at 1130,-1719.81 h25 r90
R147: PIN_NUMBER "1" at 97,-1363.81 h25 r90; PIN_NUMBER "2" at 97,-1340.19 h25 r90
R148: PIN_NUMBER "1" at 180,-1363.81 h25 r90; PIN_NUMBER "2" at 180,-1340.19 h25 r90
R149: PIN_NUMBER "1" at 64,-1363.81 h25 r90; PIN_NUMBER "2" at 64,-1340.19 h25 r90
R150: PIN_NUMBER "1" at 128,-1363.81 h25 r90; PIN_NUMBER "2" at 128,-1340.19 h25 r90
R151: PIN_NUMBER "2" at 250.95,-1272 h12; PIN_NUMBER "1" at 219.45,-1272 h12; Top Overlay "10K 1%" at 204.57,-1293.65 h50
R152: PIN_NUMBER "2" at 231.2,-1367.75 h12 r270; PIN_NUMBER "1" at 231.2,-1336.25 h12 r270; Top Overlay "0R 1%" at 214.35,-1316.57 h50 r270
R153: PIN_NUMBER "2" at 1352.8,-319.75 h12 r270; PIN_NUMBER "1" at 1352.8,-288.25 h12 r270; Bottom Overlay "22K 1%" at 1369.65,-268.57 h50 r270
R154: PIN_NUMBER "2" at 1086,-1696.19 h25 r90; PIN_NUMBER "1" at 1086,-1719.81 h25 r90
R155: PIN_NUMBER "2" at 259.81,-1188 h25; PIN_NUMBER "1" at 236.19,-1188 h25
R156: PIN_NUMBER "2" at 513.05,-1976 h12 r180; PIN_NUMBER "1" at 544.55,-1976 h12 r180; Bottom Overlay "NC/47K 1%" at 559.43,-1997.65 h50 r180
R157: PIN_NUMBER "2" at 259.81,-1232 h25; PIN_NUMBER "1" at 236.19,-1232 h25
R158: PIN_NUMBER "1" at 544.55,-1876 h12 r180; PIN_NUMBER "2" at 513.05,-1876 h12 r180; Bottom Overlay "NC/0R 1%" at 559.43,-1897.65 h50 r180
R159: PIN_NUMBER "1" at 544.55,-1912 h12 r180; PIN_NUMBER "2" at 513.05,-1912 h12 r180; Bottom Overlay "NC/0R 1%" at 559.43,-1933.65 h50 r180
R160: PIN_NUMBER "2" at 212.19,-1088 h25 r180; PIN_NUMBER "1" at 235.81,-1088 h25 r180
R161: PIN_NUMBER "2" at 1672.55,-1060 h12; PIN_NUMBER "1" at 1641.05,-1060 h12; Bottom Overlay "NC/47K 1%" at 1616.57,-1038.35 h50
R162: PIN_NUMBER "2" at 1672.55,-1100 h12; PIN_NUMBER "1" at 1641.05,-1100 h12; Bottom Overlay "NC/47K 1%" at 1616.57,-1078.35 h50
R163: PIN_NUMBER "2" at 2113.05,-1024 h12 r180; PIN_NUMBER "1" at 2144.55,-1024 h12 r180; Bottom Overlay "NC/47K 1%" at 2159.43,-1045.65 h50 r180
R164: PIN_NUMBER "2" at 212.19,-1132 h25 r180; PIN_NUMBER "1" at 235.81,-1132 h25 r180
R165: PIN_NUMBER "1" at 623.81,-1032 h25 r180; PIN_NUMBER "2" at 600.19,-1032 h25 r180
R166: PIN_NUMBER "1" at 555.81,-996 h25 r180; PIN_NUMBER "2" at 532.19,-996 h25 r180
R167: PIN_NUMBER "1" at 555.81,-1032 h25 r180; PIN_NUMBER "2" at 532.19,-1032 h25 r180
R168: PIN_NUMBER "1" at 623.81,-960 h25 r180; PIN_NUMBER "2" at 600.19,-960 h25 r180
R169: PIN_NUMBER "2" at 623.81,-996 h25; PIN_NUMBER "1" at 600.19,-996 h25
R170: PIN_NUMBER "1" at 2144.55,-1064 h12 r180; PIN_NUMBER "2" at 2113.05,-1064 h12 r180; Bottom Overlay "47K 1%" at 2159.43,-1085.65 h50 r180
R171: PIN_NUMBER "1" at 2144.55,-1100 h12 r180; PIN_NUMBER "2" at 2113.05,-1100 h12 r180; Bottom Overlay "47K 1%" at 2159.43,-1121.65 h50 r180
R172: PIN_NUMBER "1" at 2144.55,-1176 h12 r180; PIN_NUMBER "2" at 2113.05,-1176 h12 r180; Bottom Overlay "NC/0R 1%" at 2159.43,-1197.65 h50 r180
R173: PIN_NUMBER "1" at 2144.55,-1140 h12 r180; PIN_NUMBER "2" at 2113.05,-1140 h12 r180; Bottom Overlay "NC/0R 1%" at 2159.43,-1161.65 h50 r180
R174: PIN_NUMBER "1" at 2472,-1420.19 h25 r270; PIN_NUMBER "2" at 2472,-1443.81 h25 r270
R175: PIN_NUMBER "1" at 2455.2,-1447.75 h12 r90; PIN_NUMBER "2" at 2455.2,-1416.25 h12 r90; Top Overlay "120R 5%" at 2481.65,-1467.43 h50 r90
R176: PIN_NUMBER "2" at 1167.81,-848 h25; PIN_NUMBER "1" at 1144.19,-848 h25
R177: PIN_NUMBER "2" at 1300,-768.19 h25 r90; PIN_NUMBER "1" at 1300,-791.81 h25 r90
R178: PIN_NUMBER "2" at 892,-967.81 h25 r270; PIN_NUMBER "1" at 892,-944.19 h25 r270
R179: PIN_NUMBER "2" at 1072.19,-848 h25 r180; PIN_NUMBER "1" at 1095.81,-848 h25 r180
R180: PIN_NUMBER "1" at 1399.2,-2319.75 h12 r90; PIN_NUMBER "2" at 1399.2,-2288.25 h12 r90; Top Overlay "NC/3.4K 1%" at 1425.65,-2339.43 h50 r90
R200: PIN_NUMBER "1" at 3586.95,-1672 h12 r180; PIN_NUMBER "2" at 3555.45,-1672 h12 r180; Top Overlay "20K 1%" at 3611.43,-1650.35 h50 r180
R201: PIN_NUMBER "1" at 3567.45,-480 h12; PIN_NUMBER "2" at 3598.95,-480 h12; Top Overlay "100K 1%" at 3552.57,-501.65 h50
R202: PIN_NUMBER "1" at 3586.95,-1636 h12 r180; PIN_NUMBER "2" at 3555.45,-1636 h12 r180; Top Overlay "1M 1%" at 3611.43,-1614.35 h50 r180
R203: PIN_NUMBER "1" at 3559.45,-1856 h12; PIN_NUMBER "2" at 3590.95,-1856 h12; Top Overlay "100K 1%" at 3544.57,-1877.65 h50
R208: PIN_NUMBER "1" at 2038.95,-952 h12 r180; PIN_NUMBER "2" at 2007.45,-952 h12 r180; Top Overlay "10K 1%" at 2063.43,-930.35 h50 r180
R209: PIN_NUMBER "1" at 2038.95,-1062 h12 r180; PIN_NUMBER "2" at 2007.45,-1062 h12 r180; Top Overlay "10K 1%" at 2063.43,-1040.35 h50 r180
R210: PIN_NUMBER "1" at 2038.95,-1136 h12 r180; PIN_NUMBER "2" at 2007.45,-1136 h12 r180; Top Overlay "10K 1%" at 2063.43,-1114.35 h50 r180
R211: PIN_NUMBER "2" at 3338.95,-480 h12; PIN_NUMBER "1" at 3307.45,-480 h12; Top Overlay "10K 1%" at 3292.57,-501.65 h50
R214: PIN_NUMBER "2" at 1589.45,-1096 h12 r180; PIN_NUMBER "1" at 1620.95,-1096 h12 r180; Top Overlay "10K 1%" at 1645.43,-1074.35 h50 r180
R215: PIN_NUMBER "2" at 2038.95,-990 h12; PIN_NUMBER "1" at 2007.45,-990 h12; Top Overlay "NC/10K 1%" at 1992.57,-1011.65 h50
R216: PIN_NUMBER "2" at 2038.95,-1026 h12; PIN_NUMBER "1" at 2007.45,-1026 h12; Top Overlay "NC/10K 1%" at 1992.57,-1047.65 h50
R217: PIN_NUMBER "2" at 2038.95,-1100 h12; PIN_NUMBER "1" at 2007.45,-1100 h12; Top Overlay "NC/10K 1%" at 1992.57,-1121.65 h50
R218: PIN_NUMBER "1" at 2715.2,-1491.75 h12 r90; PIN_NUMBER "2" at 2715.2,-1460.25 h12 r90; Top Overlay "10K 1%" at 2741.65,-1511.43 h50 r90
R219: PIN_NUMBER "1" at 1583.2,-655.75 h12 r90; PIN_NUMBER "2" at 1583.2,-624.25 h12 r90; Top Overlay "100K 1%" at 1609.65,-675.43 h50 r90
R220: PIN_NUMBER "2" at 1539.2,-547.75 h12 r270; PIN_NUMBER "1" at 1539.2,-516.25 h12 r270; Top Overlay "10K 1%" at 1522.35,-496.57 h50 r270
R221: PIN_NUMBER "1" at 1955.2,-620.25 h12 r270; PIN_NUMBER "2" at 1955.2,-651.75 h12 r270; Top Overlay "499R 1%" at 1938.35,-600.57 h50 r270
R222: PIN_NUMBER "1" at 1999.2,-651.75 h12 r90; PIN_NUMBER "2" at 1999.2,-620.25 h12 r90; Top Overlay "10K 1%" at 2025.65,-671.43 h50 r90
R223: PIN_NUMBER "1" at 1631.2,-655.75 h12 r90; PIN_NUMBER "2" at 1631.2,-624.25 h12 r90; Top Overlay "0R 1%" at 1657.65,-675.43 h50 r90
R224: PIN_NUMBER "1" at 1671.2,-655.75 h12 r90; PIN_NUMBER "2" at 1671.2,-624.25 h12 r90; Top Overlay "100K 1%" at 1697.65,-675.43 h50 r90
R225: PIN_NUMBER "1" at 2071.2,-651.75 h12 r90; PIN_NUMBER "2" at 2071.2,-620.25 h12 r90; Top Overlay "0R 1%" at 2097.65,-671.43 h50 r90
R226: PIN_NUMBER "1" at 2035.2,-651.75 h12 r90; PIN_NUMBER "2" at 2035.2,-620.25 h12 r90; Top Overlay "NC/0R 1%" at 2061.65,-671.43 h50 r90
R241: PIN_NUMBER "1" at 2644,-1528.19 h25 r270; PIN_NUMBER "2" at 2644,-1551.81 h25 r270
R248: PIN_NUMBER "1" at 2513.2,-2288.25 h12 r270; PIN_NUMBER "2" at 2513.2,-2319.75 h12 r270; Top Overlay "NC/0R 1%" at 2496.35,-2268.57 h50 r270
R249: PIN_NUMBER "1" at 2271.2,-2288.25 h12 r270; PIN_NUMBER "2" at 2271.2,-2319.75 h12 r270; Top Overlay "NC/0R 1%" at 2254.35,-2268.57 h50 r270
R250: PIN_NUMBER "1" at 2473.2,-2288.25 h12 r270; PIN_NUMBER "2" at 2473.2,-2319.75 h12 r270; Top Overlay "NC/0R 1%" at 2456.35,-2268.57 h50 r270
R251: PIN_NUMBER "1" at 2233.2,-2288.25 h12 r270; PIN_NUMBER "2" at 2233.2,-2319.75 h12 r270; Top Overlay "NC/0R 1%" at 2216.35,-2268.57 h50 r270
R252: PIN_NUMBER "1" at 2591.2,-2288.25 h12 r270; PIN_NUMBER "2" at 2591.2,-2319.75 h12 r270; Top Overlay "NC/0R 1%" at 2574.35,-2268.57 h50 r270
R253: PIN_NUMBER "1" at 2197.2,-2288.25 h12 r270; PIN_NUMBER "2" at 2197.2,-2319.75 h12 r270; Top Overlay "NC/0R 1%" at 2180.35,-2268.57 h50 r270
R254: PIN_NUMBER "1" at 2553.2,-2288.25 h12 r270; PIN_NUMBER "2" at 2553.2,-2319.75 h12 r270; Top Overlay "NC/0R 1%" at 2536.35,-2268.57 h50 r270
R255: PIN_NUMBER "1" at 2161.2,-2288.25 h12 r270; PIN_NUMBER "2" at 2161.2,-2319.75 h12 r270; Top Overlay "NC/0R 1%" at 2144.35,-2268.57 h50 r270
R317: PIN_NUMBER "1" at 779.2,-1347.75 h12 r90; PIN_NUMBER "2" at 779.2,-1316.25 h12 r90; Top Overlay "22R 1%" at 805.65,-1367.43 h50 r90
R318: PIN_NUMBER "2" at 1171.2,-680.25 h12 r90; PIN_NUMBER "1" at 1171.2,-711.75 h12 r90; Top Overlay "10K 1%" at 1197.65,-731.43 h50 r90
R320: PIN_NUMBER "2" at 759.45,-932 h12 r180; PIN_NUMBER "1" at 790.95,-932 h12 r180; Top Overlay "10K 1%" at 815.43,-910.35 h50 r180
R321: PIN_NUMBER "2" at 763.45,-1184 h12 r180; PIN_NUMBER "1" at 794.95,-1184 h12 r180; Top Overlay "0R 1%" at 819.43,-1162.35 h50 r180
R322: PIN_NUMBER "2" at 763.45,-1148 h12 r180; PIN_NUMBER "1" at 794.95,-1148 h12 r180; Top Overlay "0R 1%" at 819.43,-1126.35 h50 r180
R323: PIN_NUMBER "2" at 763.45,-1263 h12 r180; PIN_NUMBER "1" at 794.95,-1263 h12 r180; Top Overlay "NC/470K 1%" at 819.43,-1241.35 h50 r180
R324: PIN_NUMBER "2" at 759.45,-968 h12 r180; PIN_NUMBER "1" at 790.95,-968 h12 r180; Top Overlay "10K 1%" at 815.43,-946.35 h50 r180
R326: PIN_NUMBER "2" at 1171.2,-764.25 h12 r90; PIN_NUMBER "1" at 1171.2,-795.75 h12 r90; Top Overlay "4.7K 1%" at 1197.65,-815.43 h50 r90
R327: PIN_NUMBER "2" at 859.2,-1347.75 h12 r270; PIN_NUMBER "1" at 859.2,-1316.25 h12 r270; Top Overlay "6.04K 1%" at 842.35,-1296.57 h50 r270
R329: PIN_NUMBER "2" at 762.95,-677 h12; PIN_NUMBER "1" at 731.45,-677 h12; Top Overlay "10K 1%" at 716.57,-698.65 h50
R331: PIN_NUMBER "2" at 1171.2,-639.75 h12 r270; PIN_NUMBER "1" at 1171.2,-608.25 h12 r270; Top Overlay "10K 1%" at 1154.35,-588.57 h50 r270
R340: PIN_NUMBER "1" at 963.2,-795.75 h12 r90; PIN_NUMBER "2" at 963.2,-764.25 h12 r90; Top Overlay "10K 1%" at 989.65,-815.43 h50 r90
R341: PIN_NUMBER "1" at 927.2,-795.75 h12 r90; PIN_NUMBER "2" at 927.2,-764.25 h12 r90; Top Overlay "10K 1%" at 953.65,-815.43 h50 r90
R342: PIN_NUMBER "2" at 1097.2,-764.25 h12 r90; PIN_NUMBER "1" at 1097.2,-795.75 h12 r90; Top Overlay "NC/100K 1%" at 1123.65,-815.43 h50 r90
R343: PIN_NUMBER "1" at 1479.2,-795.75 h12 r90; PIN_NUMBER "2" at 1479.2,-764.25 h12 r90; Top Overlay "100K 1%" at 1505.65,-815.43 h50 r90
R344: PIN_NUMBER "1" at 1427.2,-795.75 h12 r90; PIN_NUMBER "2" at 1427.2,-764.25 h12 r90; Top Overlay "3.4K 1%" at 1453.65,-815.43 h50 r90
R345: PIN_NUMBER "2" at 1268.55,-896 h12; PIN_NUMBER "1" at 1237.05,-896 h12; Bottom Overlay "NC/0R 1%" at 1212.57,-874.35 h50
R346: PIN_NUMBER "1" at 1791.2,-2288.25 h12 r270; PIN_NUMBER "2" at 1791.2,-2319.75 h12 r270; Top Overlay "NC/0R 1%" at 1774.35,-2268.57 h50 r270
R347: PIN_NUMBER "1" at 1551.2,-2288.25 h12 r270; PIN_NUMBER "2" at 1551.2,-2319.75 h12 r270; Top Overlay "NC/0R 1%" at 1534.35,-2268.57 h50 r270
R348: PIN_NUMBER "1" at 1751.2,-2288.25 h12 r270; PIN_NUMBER "2" at 1751.2,-2319.75 h12 r270; Top Overlay "NC/0R 1%" at 1734.35,-2268.57 h50 r270
R349: PIN_NUMBER "1" at 1511.2,-2288.25 h12 r270; PIN_NUMBER "2" at 1511.2,-2319.75 h12 r270; Top Overlay "NC/0R 1%" at 1494.35,-2268.57 h50 r270
R350: PIN_NUMBER "1" at 1671.2,-2288.25 h12 r270; PIN_NUMBER "2" at 1671.2,-2319.75 h12 r270; Top Overlay "NC/0R 1%" at 1654.35,-2268.57 h50 r270
R351: PIN_NUMBER "1" at 1711.2,-2288.25 h12 r270; PIN_NUMBER "2" at 1711.2,-2319.75 h12 r270; Top Overlay "NC/0R 1%" at 1694.35,-2268.57 h50 r270
R352: PIN_NUMBER "1" at 1867.2,-2288.25 h12 r270; PIN_NUMBER "2" at 1867.2,-2319.75 h12 r270; Top Overlay "NC/0R 1%" at 1850.35,-2268.57 h50 r270
R353: PIN_NUMBER "1" at 1475.2,-2288.25 h12 r270; PIN_NUMBER "2" at 1475.2,-2319.75 h12 r270; Top Overlay "NC/0R 1%" at 1458.35,-2268.57 h50 r270
R354: PIN_NUMBER "1" at 1827.2,-2288.25 h12 r270; PIN_NUMBER "2" at 1827.2,-2319.75 h12 r270; Top Overlay "NC/0R 1%" at 1810.35,-2268.57 h50 r270
R355: PIN_NUMBER "1" at 1439.2,-2288.25 h12 r270; PIN_NUMBER "2" at 1439.2,-2319.75 h12 r270; Top Overlay "NC/0R 1%" at 1422.35,-2268.57 h50 r270
R356: PIN_NUMBER "1" at 1591.2,-2288.25 h12 r270; PIN_NUMBER "2" at 1591.2,-2319.75 h12 r270; Top Overlay "NC/0R 1%" at 1574.35,-2268.57 h50 r270
R357: PIN_NUMBER "1" at 1631.2,-2288.25 h12 r270; PIN_NUMBER "2" at 1631.2,-2319.75 h12 r270; Top Overlay "NC/0R 1%" at 1614.35,-2268.57 h50 r270
R361: PIN_NUMBER "2" at 891.2,-764.25 h12 r90; PIN_NUMBER "1" at 891.2,-795.75 h12 r90; Top Overlay "0R 1%" at 917.65,-815.43 h50 r90
R366: PIN_NUMBER "1" at 864,-2620.19 h25 r270; PIN_NUMBER "2" at 864,-2643.81 h25 r270
R367: PIN_NUMBER "1" at 896,-2620.19 h25 r270; PIN_NUMBER "2" at 896,-2643.81 h25 r270
R368: PIN_NUMBER "1" at 968,-2620.19 h25 r270; PIN_NUMBER "2" at 968,-2643.81 h25 r270
R369: PIN_NUMBER "2" at 936,-2643.81 h25 r270; PIN_NUMBER "1" at 936,-2620.19 h25 r270
R370: PIN_NUMBER "1" at 1004,-2620.19 h25 r270; PIN_NUMBER "2" at 1004,-2643.81 h25 r270
R371: PIN_NUMBER "1" at 1033,-2620.19 h25 r270; PIN_NUMBER "2" at 1033,-2643.81 h25 r270
R372: PIN_NUMBER "1" at 1100,-2620.19 h25 r270; PIN_NUMBER "2" at 1100,-2643.81 h25 r270
R373: PIN_NUMBER "1" at 1068,-2620.19 h25 r270; PIN_NUMBER "2" at 1068,-2643.81 h25 r270
R374: PIN_NUMBER "1" at 1100,-2412.19 h25 r270; PIN_NUMBER "2" at 1100,-2435.81 h25 r270
R375: PIN_NUMBER "1" at 1070,-2412.19 h25 r270; PIN_NUMBER "2" at 1070,-2435.81 h25 r270
R376: PIN_NUMBER "2" at 1036,-2435.81 h25 r270; PIN_NUMBER "1" at 1036,-2412.19 h25 r270
R377: PIN_NUMBER "2" at 1004,-2435.81 h25 r270; PIN_NUMBER "1" at 1004,-2412.19 h25 r270
R378: PIN_NUMBER "2" at 968,-2435.81 h25 r270; PIN_NUMBER "1" at 968,-2412.19 h25 r270
R379: PIN_NUMBER "2" at 936,-2435.81 h25 r270; PIN_NUMBER "1" at 936,-2412.19 h25 r270
R380: PIN_NUMBER "2" at 900,-2435.81 h25 r270; PIN_NUMBER "1" at 900,-2412.19 h25 r270
R381: PIN_NUMBER "2" at 868,-2435.81 h25 r270; PIN_NUMBER "1" at 868,-2412.19 h25 r270
R385: PIN_NUMBER "2" at 2550.95,-540 h12; PIN_NUMBER "1" at 2519.45,-540 h12; Top Overlay "18K 1%" at 2504.57,-561.65 h50
R390: PIN_NUMBER "1" at 2121.2,-2319.75 h12 r90; PIN_NUMBER "2" at 2121.2,-2288.25 h12 r90; Top Overlay "NC/3.4K 1%" at 2147.65,-2339.43 h50 r90
R391: PIN_NUMBER "1" at 1804.19,-2848 h25; PIN_NUMBER "2" at 1827.81,-2848 h25
R396: PIN_NUMBER "1" at 2144.55,-736 h12 r180; PIN_NUMBER "2" at 2113.05,-736 h12 r180; Bottom Overlay "47K 1%" at 2159.43,-757.65 h50 r180
TP30: PIN_NUMBER "1" at 2748,-884 h20 r180; ASSEMBLY_TOP "TEST" at 2791,-899 h31 r180; ASSEMBLY_TOP "PAD=BALL32MIL" at 2881,-849 h31 r180
TP31: PIN_NUMBER "1" at 2804,-575 h20 r180; ASSEMBLY_TOP "TEST" at 2847,-590 h31 r180; ASSEMBLY_TOP "PAD=BALL32MIL" at 2937,-540 h31 r180
TP32: PIN_NUMBER "1" at 2856,-575 h20 r180; ASSEMBLY_TOP "TEST" at 2899,-590 h31 r180; ASSEMBLY_TOP "PAD=BALL32MIL" at 2989,-540 h31 r180
TP33: PIN_NUMBER "1" at 2908,-575 h20 r180; ASSEMBLY_TOP "TEST" at 2951,-590 h31 r180; ASSEMBLY_TOP "PAD=BALL32MIL" at 3041,-540 h31 r180
TP34: PIN_NUMBER "1" at 1572,-1046 h20 r90; ASSEMBLY_TOP "TEST" at 1565,-1081 h31 r90; ASSEMBLY_TOP "PAD=BALL32MIL" at 1615,-1171 h31 r90
TP35: PIN_NUMBER "1" at 1624,-1046 h20 r90; ASSEMBLY_TOP "TEST" at 1617,-1081 h31 r90; ASSEMBLY_TOP "PAD=BALL32MIL" at 1667,-1171 h31 r90